# KiCad board MXKeyboard.kicad_pcb (continued)
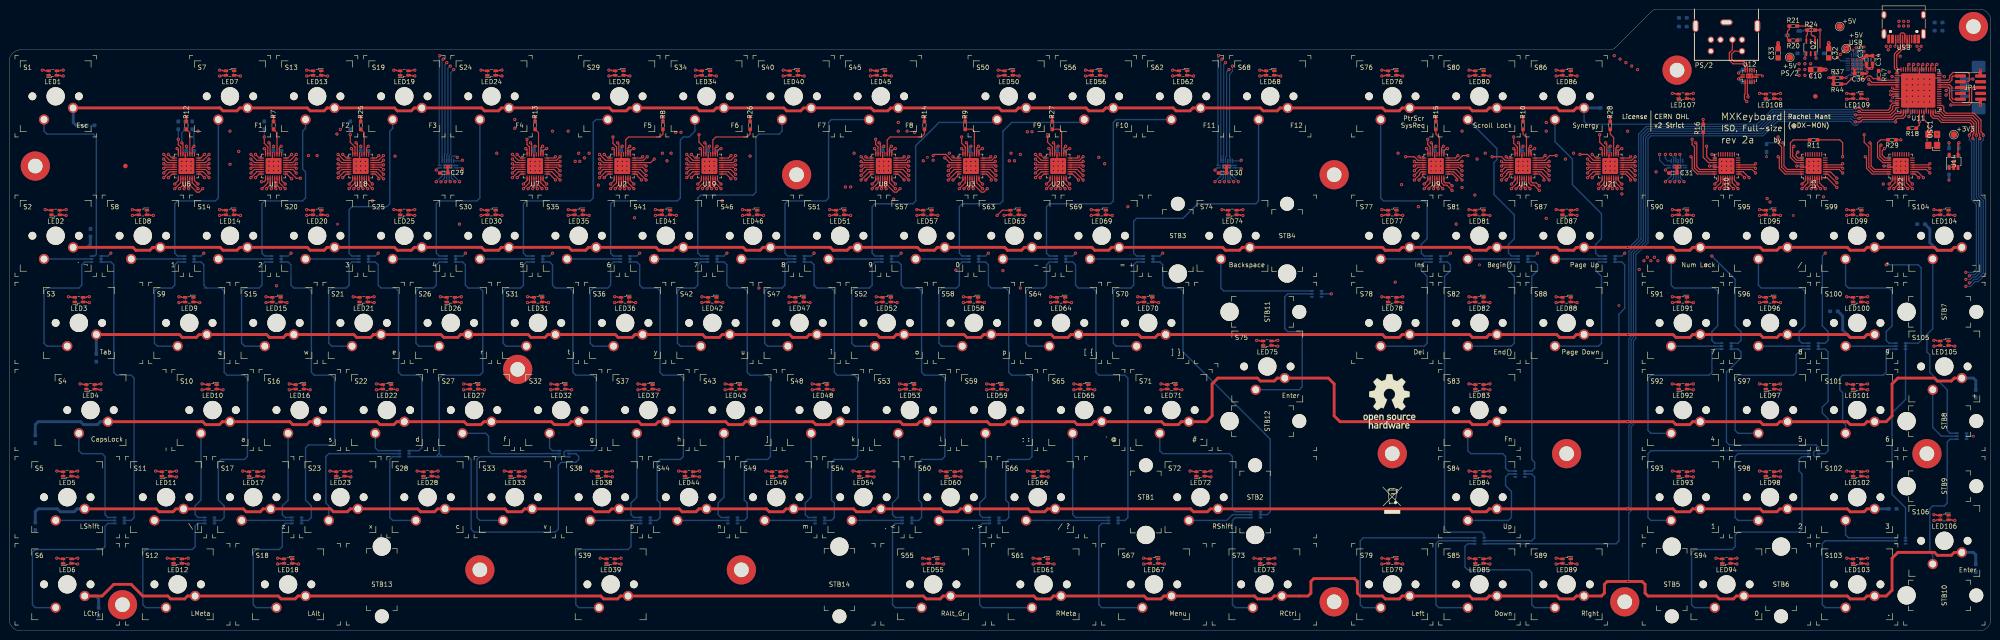
[diagram p0: board, top side]
## Routing (per net, layer and track width the routed paths; a pad name or vN(x,y) marks a point on that pad's centre or on a via; arc(x,y) is an arc through that point) (continued)
/LEDs + Drivers/RED26: length 84.7
  Top w0.254: v1(148.08,104.14) 149.37,102.85 U19.2 ; v1(94.23,73.03) 94.74,73.03 94.88,72.89 LED26.4
  Route6 w0.254: v1(94.23,73.03) 95.89,73.03 96.52,72.39 96.52,71.12 97.15,70.49 103.51,70.49 104.14,71.12 104.14,78.11 104.77,78.74 133.35,78.74 133.99,79.38 133.99,90.68 147.45,104.14 v1(148.08,104.14)
/LEDs + Drivers/RED27: length 90
  Top w0.254: v1(148.08,103.12) 148.86,102.35 U19.3 ; v1(103.89,52.71) 103.38,52.71 103.24,52.84 LED27.4
  Route6 w0.254: v1(148.08,103.12) 147.45,103.12 134.62,90.3 134.62,78.74 133.99,78.11 105.41,78.11 104.77,77.47 104.77,53.59 v1(103.89,52.71)
/LEDs + Drivers/RED28: length 122
  Top w0.254: v1(148.08,102.11) 148.34,101.85 U19.4 ; v1(89.15,34.93) 89.66,34.93 89.8,34.79 LED28.4
  Route6 w0.254: v1(148.08,102.11) 147.45,102.11 135.25,89.92 135.25,78.11 134.62,77.47 106.05,77.47 105.41,76.84 105.41,56.52 109.22,52.71 109.22,44.45 100.96,36.2 90.42,36.2 v1(89.15,34.93)
/LEDs + Drivers/RED29: length 31.3
  Top w0.254: v1(148.08,101.09) 148.34,101.35 U19.5 ; LED29.4 134.99,121.42 135.13,121.29 v1(135.64,121.29)
  Route6 w0.254: v1(145.67,108.97) 144.78,109.86 144.78,113.67 137.16,121.29 v1(135.64,121.29)
  Route10 w0.254: v1(145.67,108.97) 145.54,108.84 145.54,101.85 146.3,101.09 v1(148.08,101.09)
/LEDs + Drivers/RED30: length 50.9
  Top w0.254: v1(148.08,100.08) 148.86,100.85 U19.6 ; v1(107.7,90.81) 107.19,90.81 107.05,90.94 LED30.4
  Route6 w0.254: v1(136.65,90.3) 146.43,100.08 v1(148.08,100.08)
  Route12 w0.254: v1(107.7,90.81) 110.24,93.35 128.65,93.35 131.7,90.3 v1(136.65,90.3)
/LEDs + Drivers/RED31: length 63.5
  Top w0.254: v1(148.08,99.06) 149.37,100.35 U19.7 ; v1(117.86,71.76) 117.35,71.76 117.21,71.89 LED31.4
  Route6 w0.254: v1(148.08,99.06) 148.46,98.68 148.46,95.5 150.5,93.47 150.5,79.38 149.86,78.74 140.97,78.74 140.33,78.11 140.33,76.84 139.7,76.2 123.83,76.2 123.19,75.57 123.19,72.39 122.55,71.76 v1(117.86,71.76)
/LEDs + Drivers/RED32: length 76.5
  Top w0.254: v1(149.1,99.06) 149.89,99.85 U19.8 ; LED32.4 122.29,52.84 122.43,52.71 v1(122.94,52.71)
  Route6 w0.254: v1(122.94,52.71) 123.83,53.59 123.83,74.93 124.46,75.57 140.33,75.57 140.97,76.2 140.97,77.47 141.61,78.11 150.5,78.11 151.13,78.74 151.13,93.85 149.1,95.89 v1(149.1,99.06)
/LEDs + Drivers/RED33: length 110.4
  Top w0.254: v1(150.5,97.66) 151.29,98.45 U19.9 ; LED33.4 108.85,34.79 108.71,34.93 v1(108.2,34.93)
  Route6 w0.254: v1(150.5,97.66) 149.73,96.9 149.73,96.27 151.76,94.23 151.76,78.11 151.13,77.47 142.24,77.47 141.61,76.84 141.61,75.57 140.97,74.93 125.09,74.93 124.46,74.3 124.46,56.52 125.09,55.88 127.64,55.88 128.27,55.25 128.27,44.45 120.02,36.2 109.47,36.2 v1(108.2,34.93)
/LEDs + Drivers/RED34: length 41.6
  Top w0.254: v1(150.5,96.65) 151.79,97.94 U19.10 ; v1(154.56,121.29) 154.05,121.29 153.92,121.42 LED34.4
  Route6 w0.254: v1(154.56,121.29) 153.29,120.02 145.42,120.02 144.78,119.38 144.78,116.21 146.81,114.17 v1(146.81,108.97)
  Route10 w0.254: v1(150.5,96.65) 149.73,97.41 149.73,98.04 150.11,98.43 150.11,104.78 149.35,105.54 147.32,105.54 146.81,106.05 v1(146.81,108.97)
/LEDs + Drivers/RED35: length 58.3
  Top w0.254: v1(151.51,96.65) 152.29,97.42 U19.11 ; LED35.4 126.1,90.94 126.24,90.81 v1(126.75,90.81)
  Route12 w0.254: v1(126.75,90.81) 129.54,90.81 132.08,88.27 132.08,78.74 132.71,78.11 151.13,78.11 151.76,78.74 151.76,96.39 v1(151.51,96.65)
/LEDs + Drivers/RED36: length 43.3
  Top w0.254: v1(152.53,96.65) 152.79,96.91 U19.12 ; v1(136.91,71.76) 136.4,71.76 136.26,71.89 LED36.4
  Route6 w0.254: v1(136.91,71.76) 141.61,71.76 142.24,72.39 142.24,76.2 142.88,76.84 151.76,76.84 152.4,77.47 152.4,96.52 v1(152.53,96.65)
/LEDs + Drivers/RED37: length 57.9
  Top w0.254: v1(153.54,96.65) 153.29,96.91 U19.13 ; LED37.4 141.34,52.84 141.48,52.71 v1(141.99,52.71)
  Route6 w0.254: v1(153.54,96.65) 153.04,96.14 153.04,76.84 152.4,76.2 143.51,76.2 142.88,75.57 142.88,53.59 v1(141.99,52.71)
/LEDs + Drivers/RED38: length 93.2
  Top w0.254: v1(154.56,96.65) 153.79,97.42 U19.14 ; LED38.4 127.9,34.79 127.76,34.93 v1(127.25,34.93)
  Route6 w0.254: v1(154.56,96.65) 153.67,95.76 153.67,76.2 153.04,75.57 144.14,75.57 143.51,74.93 143.51,56.52 144.14,55.88 146.69,55.88 147.32,55.25 147.32,44.45 140.33,37.47 138.43,37.47 137.16,36.2 128.52,36.2 v1(127.25,34.93)
/LEDs + Drivers/RED39: length 111.4
  Top w0.254: v1(155.57,96.65) 154.29,97.94 U19.15 ; v1(129.16,15.88) 129.67,15.88 129.8,15.74 LED39.4
  Route6 w0.254: v1(129.16,15.88) 130.43,17.15 137.8,17.15 138.43,17.78 138.43,36.2 139.06,36.83 140.97,36.83 147.95,43.82 147.95,55.88 147.32,56.52 144.78,56.52 144.14,57.15 144.14,74.3 144.78,74.93 153.67,74.93 154.31,75.57 154.31,95.38 v1(155.57,96.65)
/LEDs + Drivers/RED40: length 46.7
  Top w0.254: v1(155.57,97.66) 154.79,98.45 U19.16 ; v1(173.74,121.29) 173.23,121.29 173.09,121.42 LED40.4
  Route6 w0.254: v1(155.57,97.66) 156.21,98.3 156.21,104.27 160.02,108.08 160.02,123.19 160.65,123.83 173.1,123.83 173.74,123.19 v1(173.74,121.29)
/LEDs + Drivers/RED41: length 21
  Top w0.254: v1(157.73,98.81) 156.69,99.85 U19.17 ; LED41.4 145.15,90.94 145.29,90.81 v1(145.8,90.81)
  Route4 w0.254: v1(145.8,90.81) 148.97,93.98 v1(155.83,93.98)
  Route6 w0.254: v1(157.73,98.81) 157.73,95.89 v1(155.83,93.98)
/LEDs + Drivers/RED42: length 51.9
  Top w0.254: v1(158.75,98.81) 157.21,100.35 U19.18 ; v1(155.96,71.76) 155.45,71.76 155.31,71.89 LED42.4
  Route6 w0.254: v1(155.96,71.76) 160.65,71.76 161.29,72.39 161.29,76.84 161.93,77.47 170.18,77.47 170.81,78.11 170.81,88.14 160.15,98.81 v1(158.75,98.81)
/LEDs + Drivers/RED43: length 67.4
  Top w0.254: v1(158.75,99.82) 157.72,100.85 U19.19 ; v1(161.04,52.71) 160.53,52.71 160.39,52.84 LED43.4
  Route6 w0.254: v1(161.04,52.71) 161.93,53.59 161.93,76.2 162.56,76.84 170.81,76.84 171.45,77.47 171.45,88.52 160.15,99.82 v1(158.75,99.82)
/LEDs + Drivers/RED44: length 103.4
  Top w0.254: v1(158.75,100.84) 158.24,101.35 U19.20 ; LED44.4 146.95,34.79 146.81,34.93 v1(146.3,34.93)
  Route6 w0.254: v1(158.75,100.84) 160.15,100.84 172.08,88.9 172.08,76.84 171.45,76.2 163.19,76.2 162.56,75.57 162.56,56.52 163.19,55.88 165.74,55.88 166.37,55.25 166.37,44.45 158.12,36.2 147.57,36.2 v1(146.3,34.93)
/LEDs + Drivers/RED45: length 55.5
  Top w0.254: v1(158.75,101.85) 158.75,101.85 U19.21 ; LED45.4 192.14,121.42 192.28,121.29 v1(192.79,121.29)
  Route4 w0.254: v1(161.93,103.76) 161.93,102.49 161.29,101.85 v1(158.75,101.85)
  Route6 w0.254: v1(192.79,121.29) 191.52,120.02 164.46,120.02 163.83,119.38 163.83,105.66 v1(161.93,103.76)
/LEDs + Drivers/RED46: length 69
  Top w0.254: v1(158.75,102.87) 158.23,102.35 U19.22 ; LED46.4 164.2,90.94 164.34,90.81 v1(164.85,90.81)
  Route6 w0.254: v1(163.83,74.93) 164.46,75.57 172.08,75.57 172.72,76.2 172.72,89.28 159.13,102.87 v1(158.75,102.87)
  Route12 w0.254: v1(163.83,74.93) 163.19,75.57 163.19,81.28 159.38,85.09 159.38,88.9 160.02,89.54 163.58,89.54 v1(164.85,90.81)
/LEDs + Drivers/RED47: length 44.1
  Top w0.254: v1(158.75,103.89) 157.71,102.85 U19.23 ; v1(175.01,71.76) 174.5,71.76 174.36,71.89 LED47.4
  Route6 w0.254: v1(175.01,71.76) 173.35,73.41 173.35,89.66 159.13,103.89 v1(158.75,103.89)
/LEDs + Drivers/RED48: length 70.3
  Top w0.254: v1(157.73,103.89) 157.2,103.35 U19.24 ; LED48.4 179.44,52.84 179.58,52.71 v1(180.09,52.71)
  Route6 w0.254: v1(157.73,103.89) 158.5,104.65 159.38,104.65 173.99,90.04 173.99,75.57 174.62,74.93 179.7,74.93 180.34,74.3 180.34,56.52 179.07,55.25 179.07,53.72 v1(180.09,52.71)
/LEDs + Drivers/RED49: length 126.2
  Top w0.254: v1(225.3,104.14) 226.09,103.35 U20.1 ; v1(165.35,34.93) 165.86,34.93 166,34.79 LED49.4
  Route6 w0.254: v1(225.3,104.14) 224.54,104.9 223.14,104.9 208.91,90.68 208.91,80.26 208.28,79.63 206.63,79.63 206.12,79.12 206.12,78.74 205.49,78.11 181.61,78.11 180.97,77.47 180.97,56.52 181.61,55.88 184.78,55.88 185.42,55.25 185.42,44.45 177.16,36.2 166.62,36.2 v1(165.35,34.93)
/LEDs + Drivers/RED50: length 43.4
  Top w0.254: v1(224.28,104.14) 225.57,102.85 U20.2 ; v1(220.73,121.29) 220.22,121.29 220.08,121.42 LED50.4
  Route6 w0.254: v1(223.52,109.09) 222.76,109.86 222.25,109.86 221.62,109.22 211.45,109.22 210.82,109.86 210.82,119.38 211.45,120.02 219.46,120.02 v1(220.73,121.29)
  Route10 w0.254: v1(223.52,109.09) 223.52,108.59 224.28,107.82 v1(224.28,104.14)
/LEDs + Drivers/RED51: length 73.3
  Top w0.254: v1(224.28,103.12) 225.06,102.35 U20.3 ; v1(183.9,90.81) 183.39,90.81 183.25,90.94 LED51.4
  Route6 w0.254: v1(224.28,103.12) 222.38,103.12 209.55,90.3 209.55,78.74 208.91,78.11 207.64,78.11 v1(206.88,78.87)
  Route12 w0.254: v1(183.9,90.81) 190.5,90.81 191.13,90.17 191.13,79.38 191.64,78.87 v1(206.88,78.87)
/LEDs + Drivers/RED52: length 56.3
  Top w0.254: v1(224.28,102.11) 224.54,101.85 U20.4 ; LED52.4 193.41,71.89 193.55,71.76 v1(194.06,71.76)
  Route6 w0.254: v1(224.28,102.11) 222.38,102.11 210.19,89.92 210.19,78.11 209.55,77.47 201.29,77.47 200.66,76.84 200.66,72.39 200.02,71.76 v1(194.06,71.76)
/LEDs + Drivers/RED53: length 69.6
  Top w0.254: v1(224.28,101.09) 224.54,101.35 U20.5 ; v1(199.14,52.71) 198.63,52.71 198.49,52.84 LED53.4
  Route6 w0.254: v1(199.14,52.71) 200.66,52.71 201.29,53.34 201.29,76.2 201.93,76.84 210.19,76.84 210.82,77.47 210.82,89.54 222.38,101.09 v1(224.28,101.09)
/LEDs + Drivers/RED54: length 100.8
  Top w0.254: v1(224.28,100.08) 225.06,100.85 U20.6 ; v1(184.4,34.93) 184.91,34.93 185.05,34.79 LED54.4
  Route6 w0.254: v1(184.4,34.93) 185.67,36.2 196.21,36.2 204.47,44.45 204.47,55.25 203.83,55.88 202.56,55.88 201.93,56.52 201.93,75.57 202.56,76.2 210.82,76.2 211.45,76.84 211.45,89.15 222.38,100.08 v1(224.28,100.08)
/LEDs + Drivers/RED55: length 113.8
  Top w0.254: v1(224.28,99.06) 225.57,100.35 U20.7 ; LED55.4 203.57,14.74 203.71,14.61 v1(204.22,14.61)
  Route6 w0.254: v1(224.28,99.06) 222.38,99.06 212.09,88.77 212.09,76.2 211.45,75.57 203.2,75.57 202.56,74.93 202.56,57.15 203.2,56.52 204.47,56.52 205.1,55.88 205.1,43.82 198.12,36.83 198.12,17.78 198.75,17.15 203.58,17.15 204.22,16.51 v1(204.22,14.61)
/LEDs + Drivers/RED56: length 44.5
  Top w0.254: v1(225.3,99.06) 226.09,99.85 U20.8 ; v1(239.78,121.29) 239.27,121.29 239.13,121.42 LED56.4
  Route6 w0.254: v1(222.5,109.09) 222.5,108.97 223.14,108.33 223.9,108.33 226.06,110.49 226.06,119.38 226.69,120.02 238.51,120.02 v1(239.78,121.29)
  Route10 w0.254: v1(222.5,109.09) 222.5,108.46 223.52,107.44 223.52,98.68 223.9,98.3 224.54,98.3 v1(225.3,99.06)
/LEDs + Drivers/RED57: length 58.3
  Top w0.254: v1(226.69,97.66) 227.48,98.45 U20.9 ; v1(202.95,90.81) 202.44,90.81 202.3,90.94 LED57.4
  Route6 w0.254: v1(217.17,78.74) 226.69,78.74 227.33,79.38 227.33,94.87 225.93,96.27 225.93,96.9 v1(226.69,97.66)
  Route12 w0.254: v1(202.95,90.81) 209.55,90.81 210.19,90.17 210.19,79.38 210.82,78.74 v1(217.17,78.74)
/LEDs + Drivers/RED58: length 43.5
  Top w0.254: v1(226.69,96.65) 227.98,97.94 U20.10 ; LED58.4 212.46,71.89 212.6,71.76 v1(213.11,71.76)
  Route6 w0.254: v1(213.11,71.76) 217.17,71.76 217.81,72.39 217.81,77.47 218.44,78.11 227.33,78.11 227.96,78.74 227.96,95.38 v1(226.69,96.65)
/LEDs + Drivers/RED59: length 58.8
  Top w0.254: v1(227.71,96.65) 228.48,97.42 U20.11 ; LED59.4 217.54,52.84 217.68,52.71 v1(218.19,52.71)
  Route6 w0.254: v1(218.19,52.71) 217.17,53.72 217.17,55.25 218.44,56.52 218.44,76.84 219.07,77.47 227.96,77.47 228.6,78.11 228.6,95.76 v1(227.71,96.65)
/LEDs + Drivers/RED60: length 93.5
  Top w0.254: v1(228.73,96.65) 228.98,96.91 U20.12 ; v1(203.45,34.93) 203.96,34.93 204.1,34.79 LED60.4
  Route6 w0.254: v1(203.45,34.93) 205.1,34.93 206.38,36.2 215.26,36.2 223.52,44.45 223.52,55.25 222.88,55.88 219.71,55.88 219.07,56.52 219.07,76.2 219.71,76.84 228.6,76.84 229.23,77.47 229.23,96.14 v1(228.73,96.65)
/LEDs + Drivers/RED61: length 112.5
  Top w0.254: v1(229.74,96.65) 229.48,96.91 U20.13 ; LED61.4 227.7,14.74 227.84,14.61 v1(228.35,14.61)
  Route6 w0.254: v1(229.74,96.65) 229.87,96.52 229.87,76.84 229.23,76.2 220.34,76.2 219.71,75.57 219.71,57.15 220.34,56.52 223.52,56.52 224.15,55.88 224.15,43.82 217.17,36.83 217.17,17.78 217.81,17.15 227.71,17.15 228.35,16.51 v1(228.35,14.61)
/LEDs + Drivers/RED62: length 59.2
  Top w0.254: v1(230.76,96.65) 229.98,97.42 U20.14 ; v1(258.83,121.29) 258.32,121.29 258.18,121.42 LED62.4
  Route6 w0.254: v1(238.12,103.51) 238.12,111.13 238.76,111.76 244.47,111.76 245.11,112.4 245.11,119.38 245.75,120.02 257.56,120.02 v1(258.83,121.29)
  Route10 w0.254: v1(230.76,96.65) 231.52,95.89 239.52,95.89 240.16,96.52 240.16,102.49 239.78,102.87 238.76,102.87 v1(238.12,103.51)
/LEDs + Drivers/RED63: length 57.5
  Top w0.254: v1(231.77,96.65) 230.48,97.94 U20.15 ; v1(222,90.81) 221.49,90.81 221.35,90.94 LED63.4
  Route6 w0.254: v1(220.98,74.93) 221.62,75.57 229.87,75.57 230.5,76.2 230.5,95.38 v1(231.77,96.65)
  Route12 w0.254: v1(220.98,74.93) 220.34,75.57 220.34,81.28 216.53,85.09 216.53,88.9 217.17,89.54 220.73,89.54 v1(222,90.81)
/LEDs + Drivers/RED64: length 30.4
  Top w0.254: v1(231.77,97.66) 230.98,98.45 U20.16 ; LED64.4 231.51,71.89 231.65,71.76 v1(232.16,71.76)
  Route6 w0.254: v1(231.77,97.66) 232.54,96.9 232.54,96.27 231.14,94.87 231.14,72.77 v1(232.16,71.76)
/LEDs + Drivers/RED65: length 65.2
  Top w0.254: v1(233.68,98.55) 232.38,99.85 U20.17 ; 237.2,52.74 v1(237.24,52.71) 236.73,52.71 236.59,52.84 LED65.4
  Route6 w0.254: v1(237.24,52.71) 236.22,53.72 236.22,55.25 237.49,56.52 237.49,78.11 238.12,78.74 245.75,78.74 246.38,79.38 246.38,87.76 236.35,97.79 234.44,97.79 v1(233.68,98.55)
/LEDs + Drivers/RED66: length 105.7
  Top w0.254: v1(234.7,98.55) 232.9,100.35 U20.18 ; v1(222.5,34.93) 223.01,34.93 223.15,34.79 LED66.4
  Route6 w0.254: v1(234.7,98.55) 236.6,98.55 247.01,88.14 247.01,78.74 246.38,78.11 238.76,78.11 238.12,77.47 238.12,56.52 238.76,55.88 241.94,55.88 242.57,55.25 242.57,36.83 241.94,36.2 223.77,36.2 v1(222.5,34.93)
/LEDs + Drivers/RED67: length 116.7
  Top w0.254: v1(234.7,99.57) 233.41,100.85 U20.19 ; LED67.4 251.83,14.74 251.97,14.61 v1(252.48,14.61)
  Route6 w0.254: v1(234.7,99.57) 236.6,99.57 247.65,88.52 247.65,78.11 247.01,77.47 239.39,77.47 238.76,76.84 238.76,57.15 239.39,56.52 242.57,56.52 243.2,55.88 243.2,17.78 243.84,17.15 251.84,17.15 252.48,16.51 v1(252.48,14.61)
/LEDs + Drivers/RED68: length 66.3
  Top w0.254: v1(234.7,100.58) 233.93,101.35 U20.20 ; LED68.4 277.23,121.42 277.37,121.29 v1(277.88,121.29)
  Route6 w0.254: v1(239.39,102.11) 239.39,108.59 240.03,109.22 267.33,109.22 267.97,109.86 267.97,119.38 268.6,120.02 276.61,120.02 v1(277.88,121.29)
  Route10 w0.254: v1(239.39,102.11) 239.39,101.22 238.76,100.58 v1(234.7,100.58)
/LEDs + Drivers/RED69: length 22.9
  Top w0.254: v1(234.7,101.6) 234.45,101.85 U20.21 ; v1(241.05,90.81) 240.54,90.81 240.4,90.94 LED69.4
  Route4 w0.254: v1(244.47,92.71) 244.47,91.44 243.84,90.81 v1(241.05,90.81)
  Route6 w0.254: v1(244.47,92.71) 235.58,101.6 v1(234.7,101.6)
/LEDs + Drivers/RED70: length 43.7
  Top w0.254: v1(234.7,102.62) 234.43,102.35 U20.22 ; LED70.4 250.56,71.89 250.7,71.76 v1(251.21,71.76)
  Route6 w0.254: v1(234.7,102.62) 235.58,102.62 248.92,89.28 248.92,72.39 249.56,71.76 v1(251.21,71.76)
/LEDs + Drivers/RED71: length 69.5
  Top w0.254: v1(234.7,103.63) 233.91,102.85 U20.23 ; LED71.4 255.64,52.84 255.78,52.71 v1(256.29,52.71)
  Route6 w0.254: v1(256.29,52.71) 255.27,53.72 255.27,55.25 256.54,56.52 256.54,73.66 255.9,74.3 250.19,74.3 249.56,74.93 249.56,89.66 235.58,103.63 v1(234.7,103.63)
/LEDs + Drivers/RED72: length 93.9
  Top w0.254: v1(233.68,103.63) 233.4,103.35 U20.24 ; v1(258.06,34.93) 258.57,34.93 258.71,34.79 LED72.4
  Route6 w0.254: v1(233.68,103.63) 234.7,104.65 235.58,104.65 250.19,90.04 250.19,75.57 250.82,74.93 256.54,74.93 257.17,74.3 257.17,56.52 257.81,55.88 260.98,55.88 261.62,55.25 261.62,36.83 260.98,36.2 259.33,36.2 v1(258.06,34.93)
/LEDs + Drivers/RED73: length 168.8
  Top w0.254: v1(345.95,104.14) 346.74,103.35 U21.1 ; v1(272.03,15.88) 272.54,15.88 272.68,15.74 LED73.4
  Route6 w0.254: v1(272.03,15.88) 268.6,15.88 267.97,16.51 267.97,39.37 262.89,44.45 262.89,74.3 263.52,74.93 280.67,74.93 283.84,78.11 328.93,78.11 329.56,78.74 329.56,89.03 344.68,104.14 v1(345.95,104.14)
/LEDs + Drivers/RED74: length 111.4
  Top w0.254: v1(343.28,104.14) 344.93,104.14 346.22,102.85 U21.2 ; v1(265.05,92.08) 265.56,92.08 265.69,91.94 LED74.4
  Route6 w0.254: v1(343.28,104.14) 343.28,103.63 328.93,89.28 328.93,79.38 328.29,78.74 283.84,78.74 281.31,81.28 275.59,81.28 274.95,81.92 274.95,88.9 274.32,89.54 266.06,89.54 265.05,90.55 v1(265.05,92.08)
/LEDs + Drivers/RED75: length 105.8
  Top w0.254: v1(344.93,103.12) 345.71,102.35 U21.3 ; v1(272.63,63.47) 273.2,63.47 273.31,63.37 LED75.4
  Route6 w0.254: v1(344.93,103.12) 344.68,103.12 330.2,88.65 330.2,78.11 329.56,77.47 293.37,77.47 292.73,76.84 292.73,65.41 292.1,64.77 273.93,64.77 v1(272.63,63.47)
/LEDs + Drivers/RED76: length 65.8
  Top w0.254: v1(344.93,102.11) 345.19,101.85 U21.4 ; v1(304.55,121.29) 304.04,121.29 303.9,121.42 LED76.4
  Route6 w0.254: v1(335.91,111.13) 332.74,114.3 332.74,123.19 332.1,123.83 305.18,123.83 304.55,123.19 v1(304.55,121.29)
  Route10 w0.254: v1(344.93,102.11) 345.31,102.11 345.82,102.62 345.82,103.25 344.93,104.14 344.93,109.22 344.3,109.86 337.19,109.86 v1(335.91,111.13)
/LEDs + Drivers/RED77: length 83.2
  Top w0.254: v1(344.93,101.09) 345.19,101.35 U21.5 ; LED77.4 303.9,90.94 304.04,90.81 v1(304.55,90.81)
  Route6 w0.254: v1(302.89,76.2) 303.53,76.84 330.2,76.84 330.83,77.47 330.83,88.27 343.66,101.09 v1(344.93,101.09)
  Route12 w0.254: v1(304.55,90.81) 303.28,89.54 299.72,89.54 299.08,88.9 299.08,85.09 302.26,81.92 302.26,76.84 v1(302.89,76.2)
/LEDs + Drivers/RED78: length 66.8
  Top w0.254: v1(344.93,100.08) 345.71,100.85 U21.6 ; LED78.4 300.62,72.89 300.48,73.03 v1(299.97,73.03)
  Route6 w0.254: v1(344.93,100.08) 343.66,100.08 331.47,87.88 331.47,76.84 330.83,76.2 313.69,76.2 311.78,74.3 301.24,74.3 v1(299.97,73.03)
/LEDs + Drivers/RED79: length 121.3
  Top w0.254: v1(344.93,99.06) 346.22,100.35 U21.7 ; v1(304.55,14.61) 304.04,14.61 303.9,14.74 LED79.4
  Route6 w0.254: v1(344.93,99.06) 343.66,99.06 332.1,87.5 332.1,76.2 331.47,75.57 314.32,75.57 313.69,74.93 313.69,15.24 313.06,14.61 v1(304.55,14.61)
/LEDs + Drivers/RED80: length 45.6
  Top w0.254: v1(345.95,99.06) 346.74,99.85 U21.8 ; LED80.4 322.95,121.42 323.09,121.29 v1(323.6,121.29)
  Route4 w0.254: v1(345.95,99.06) 345.82,99.19 345.82,103.25 344.93,104.14 344.93,108.59 344.3,109.22 v1(335.91,109.22)
  Route6 w0.254: v1(335.91,109.22) 331.47,113.67 331.47,121.92 330.83,122.56 324.87,122.56 v1(323.6,121.29)
/LEDs + Drivers/RED81: length 36.7
  Top w0.254: v1(347.34,97.66) 348.13,98.45 U21.9 ; v1(323.6,90.81) 323.09,90.81 322.95,90.94 LED81.4
  Route6 w0.254: v1(347.34,97.66) 346.58,96.9 346.58,96.27 347.98,94.87 347.98,90.17 347.34,89.54 336.55,89.54 v1(335.91,90.17)
  Route12 w0.254: v1(323.6,90.81) 335.28,90.81 v1(335.91,90.17)
/LEDs + Drivers/RED82: length 77.8
  Top w0.254: v1(347.34,96.65) 348.63,97.94 U21.10 ; v1(323.6,71.76) 323.09,71.76 322.95,71.89 LED82.4
  Route6 w0.254: v1(347.34,96.65) 348.62,95.38 348.62,60.33 347.98,59.69 330.83,59.69 330.2,60.33 330.2,71.12 329.56,71.76 v1(323.6,71.76)
/LEDs + Drivers/RED83: length 75.6
  Top w0.254: v1(348.36,96.65) 349.13,97.42 U21.11 ; LED83.4 319.67,53.84 319.53,53.98 v1(319.02,53.98)
  Route6 w0.254: v1(348.36,96.65) 349.25,95.76 349.25,59.69 348.62,59.06 330.83,59.06 330.2,58.42 330.2,55.88 329.56,55.25 320.29,55.25 v1(319.02,53.98)
/LEDs + Drivers/RED84: length 94.9
  Top w0.254: v1(349.38,96.65) 349.63,96.91 U21.12 ; v1(319.02,34.93) 319.53,34.93 319.67,34.79 LED84.4
  Route6 w0.254: v1(319.02,34.93) 320.29,36.2 330.2,36.2 330.83,36.83 330.83,57.79 331.47,58.42 349.25,58.42 349.88,59.06 349.88,96.14 v1(349.38,96.65)
/LEDs + Drivers/RED85: length 114.4
  Top w0.254: v1(350.39,96.65) 350.13,96.91 U21.13 ; v1(319.02,15.88) 319.53,15.88 319.67,15.74 LED85.4
  Route6 w0.254: v1(350.39,96.65) 350.52,96.52 350.52,58.42 349.88,57.79 332.1,57.79 331.47,57.15 331.47,17.78 330.83,17.15 320.29,17.15 v1(319.02,15.88)
/LEDs + Drivers/RED86: length 37.1
  Top w0.254: v1(351.41,96.65) 350.63,97.42 U21.14 ; v1(342.65,121.29) 342.14,121.29 342,121.42 LED86.4
  Route6 w0.254: v1(353.69,109.22) 353.69,110.49 347.98,116.21 347.98,120.65 347.34,121.29 v1(342.65,121.29)
  Route10 w0.254: v1(353.69,109.22) 353.69,105.66 353.06,105.03 353.06,99.7 351.41,98.04 v1(351.41,96.65)
/LEDs + Drivers/RED87: length 20.6
  Top w0.254: v1(352.42,96.65) 351.13,97.94 U21.15 ; LED87.4 338.72,91.94 338.58,92.08 v1(338.07,92.08)
  Route12 w0.254: v1(352.42,96.65) 349.12,93.35 339.34,93.35 v1(338.07,92.08)
/LEDs + Drivers/RED88: length 40.5
  Top w0.254: v1(352.42,97.66) 351.63,98.45 U21.16 ; v1(342.65,71.76) 342.14,71.76 342,71.89 LED88.4
  Route6 w0.254: v1(352.42,97.66) 353.19,96.9 353.19,95.12 351.79,93.73 v2(351.79,71.12)
  Route12 w0.254: v2(351.79,71.12) 351.15,70.49 343.92,70.49 v1(342.65,71.76)
/LEDs + Drivers/RED89: length 117.4
  Top w0.254: v1(354.33,98.55) 354.33,98.81 353.29,99.85 U21.17 ; v1(342.65,14.61) 342.14,14.61 342,14.74 LED89.4
  Route4 w0.254: v1(354.33,98.55) 354.33,97.41 v1(352.42,95.5)
  Route6 w0.254: v1(342.65,14.61) 342.65,16.51 342.01,17.15 332.74,17.15 332.1,17.78 332.1,56.52 332.74,57.15 350.52,57.15 351.15,57.79 351.15,94.23 v1(352.42,95.5)
/LEDs + Drivers/RED90: length 23.5
  Top w0.254: v1(355.35,98.55) 353.55,100.35 U21.18 ; LED90.4 367.4,90.94 367.54,90.81 v1(368.05,90.81)
  Route6 w0.254: v1(355.35,98.55) 356.11,98.55 361.95,92.71 361.95,90.17 362.58,89.54 366.78,89.54 v1(368.05,90.81)
/LEDs + Drivers/RED91: length 51.3
  Top w0.254: v1(355.35,99.57) 354.06,100.85 U21.19 ; LED91.4 367.4,71.89 367.54,71.76 v1(368.05,71.76)
  Route6 w0.254: v1(368.05,71.76) 372.75,71.76 373.38,72.39 373.38,83.19 372.75,83.82 372.75,92.71 372.11,93.35 362.2,93.35 355.98,99.57 v1(355.35,99.57)
/LEDs + Drivers/RED92: length 74.8
  Top w0.254: v1(355.35,100.58) 354.58,101.35 U21.20 ; LED92.4 364.12,53.84 363.98,53.98 v1(363.47,53.98)
  Route6 w0.254: v1(355.35,100.58) 355.85,100.58 362.46,93.98 372.75,93.98 373.38,93.35 373.38,84.2 374.01,83.57 374.01,55.88 373.38,55.25 364.74,55.25 v1(363.47,53.98)
/LEDs + Drivers/RED93: length 95.4
  Top w0.254: v1(355.35,101.6) 355.1,101.85 U21.21 ; v1(363.47,34.93) 363.98,34.93 364.12,34.79 LED93.4
  Route6 w0.254: v1(355.35,101.6) 355.73,101.6 362.71,94.62 373,94.62 374.01,93.6 374.01,84.58 374.65,83.95 374.65,36.83 374.01,36.2 364.74,36.2 v1(363.47,34.93)
/LEDs + Drivers/RED94: length 107.6
  Top w0.254: v1(355.35,102.62) 355.08,102.35 U21.22 ; LED94.4 373.64,15.74 373.51,15.88 v1(373,15.88)
  Route6 w0.254: v1(355.35,102.62) 355.6,102.62 362.97,95.25 373.25,95.25 374.65,93.85 374.65,84.96 375.28,84.33 375.28,16.51 374.65,15.88 v1(373,15.88)
/LEDs + Drivers/RED95: length 45.4
  Top w0.254: v1(355.35,103.63) 354.56,102.85 U21.23 ; v1(387.1,90.81) 386.59,90.81 386.45,90.94 LED95.4
  Route4 w0.254: v1(359.92,100.33) 358.77,100.33 355.47,103.63 v1(355.35,103.63)
  Route10 w0.254: v1(387.1,90.81) 385.44,90.81 382.9,93.35 360.68,93.35 359.92,94.11 v1(359.92,100.33)
/LEDs + Drivers/RED96: length 62.6
  Top w0.254: v1(354.33,103.63) 354.05,103.35 U21.24 ; LED96.4 386.45,71.89 386.59,71.76 v1(387.1,71.76)
  Route6 w0.254: v1(354.33,103.63) 355.09,104.39 355.73,104.39 356.23,103.89 356.23,102.87 363.22,95.89 373.51,95.89 375.28,94.11 375.28,85.34 375.92,84.71 375.92,74.93 376.56,74.3 386.46,74.3 387.1,73.66 v1(387.1,71.76)
/LEDs + Drivers/RED97: length 75.7
  Top w0.254: v1(410.84,97.66) 411.63,98.45 U22.1 ; v1(382.52,53.98) 383.03,53.98 383.17,53.84 LED97.4
  Route6 w0.254: v1(382.52,53.98) 383.79,55.25 391.79,55.25 392.43,55.88 392.43,74.93 393.06,75.57 411.48,75.57 412.12,76.2 412.12,94.23 410.08,96.27 410.08,96.9 v1(410.84,97.66)
/LEDs + Drivers/RED98: length 95.1
  Top w0.254: v1(410.84,96.65) 412.13,97.94 U22.2 ; LED98.4 383.17,34.79 383.03,34.93 v1(382.52,34.93)
  Route6 w0.254: v1(410.84,96.65) 412.75,94.74 412.75,75.82 411.86,74.93 393.7,74.93 393.06,74.3 393.06,36.83 392.43,36.2 383.79,36.2 v1(382.52,34.93)
/LEDs + Drivers/RED99: length 18.3
  Top w0.254: v1(411.86,96.65) 412.63,97.42 U22.3 ; LED99.4 405.5,90.94 405.64,90.81 v1(406.15,90.81)
  Route4 w0.254: v1(409.57,97.66) 410.46,98.55 411.23,98.55 411.86,97.92 v1(411.86,96.65)
  Route6 w0.254: v1(406.15,90.81) 408.94,90.81 409.57,91.44 v1(409.57,97.66)
/LEDs + Drivers/RED100: length 38.2
  Top w0.254: v1(412.88,96.65) 413.13,96.91 U22.4 ; LED100.4 402.22,72.89 402.08,73.03 v1(401.57,73.03)
  Route6 w0.254: v1(412.88,96.65) 413.38,96.14 413.38,75.44 412.24,74.3 402.84,74.3 v1(401.57,73.03)
/LEDs + Drivers/RED101: length 56.7
  Top w0.254: v1(413.89,96.65) 413.63,96.91 U22.5 ; v1(401.57,53.98) 402.08,53.98 402.22,53.84 LED101.4
  Route6 w0.254: v1(401.57,53.98) 402.84,55.25 410.21,55.25 410.84,55.88 410.84,67.95 410.21,68.58 410.21,71.25 414.02,75.06 414.02,96.52 v1(413.89,96.65)
/LEDs + Drivers/RED102: length 76.3
  Top w0.254: v1(414.91,96.65) 414.13,97.42 U22.6 ; v1(401.57,34.93) 402.08,34.93 402.22,34.79 LED102.4